# Altium PCB XTIDA-010086.PcbDoc (part 17 of 17)
Units mm, origin at the board's own origin, x right, y up, seen from the top; angles counter-clockwise.
Board outline 375 x 210 mm, 6 copper layers (Top Layer, GND Layer, Signal Layer 1, Signal Layer 2, Power Layer, Bottom Layer), stack 1.575 mm thick; 1884 components, 1036 nets, 4948 pads, 6791 vias.
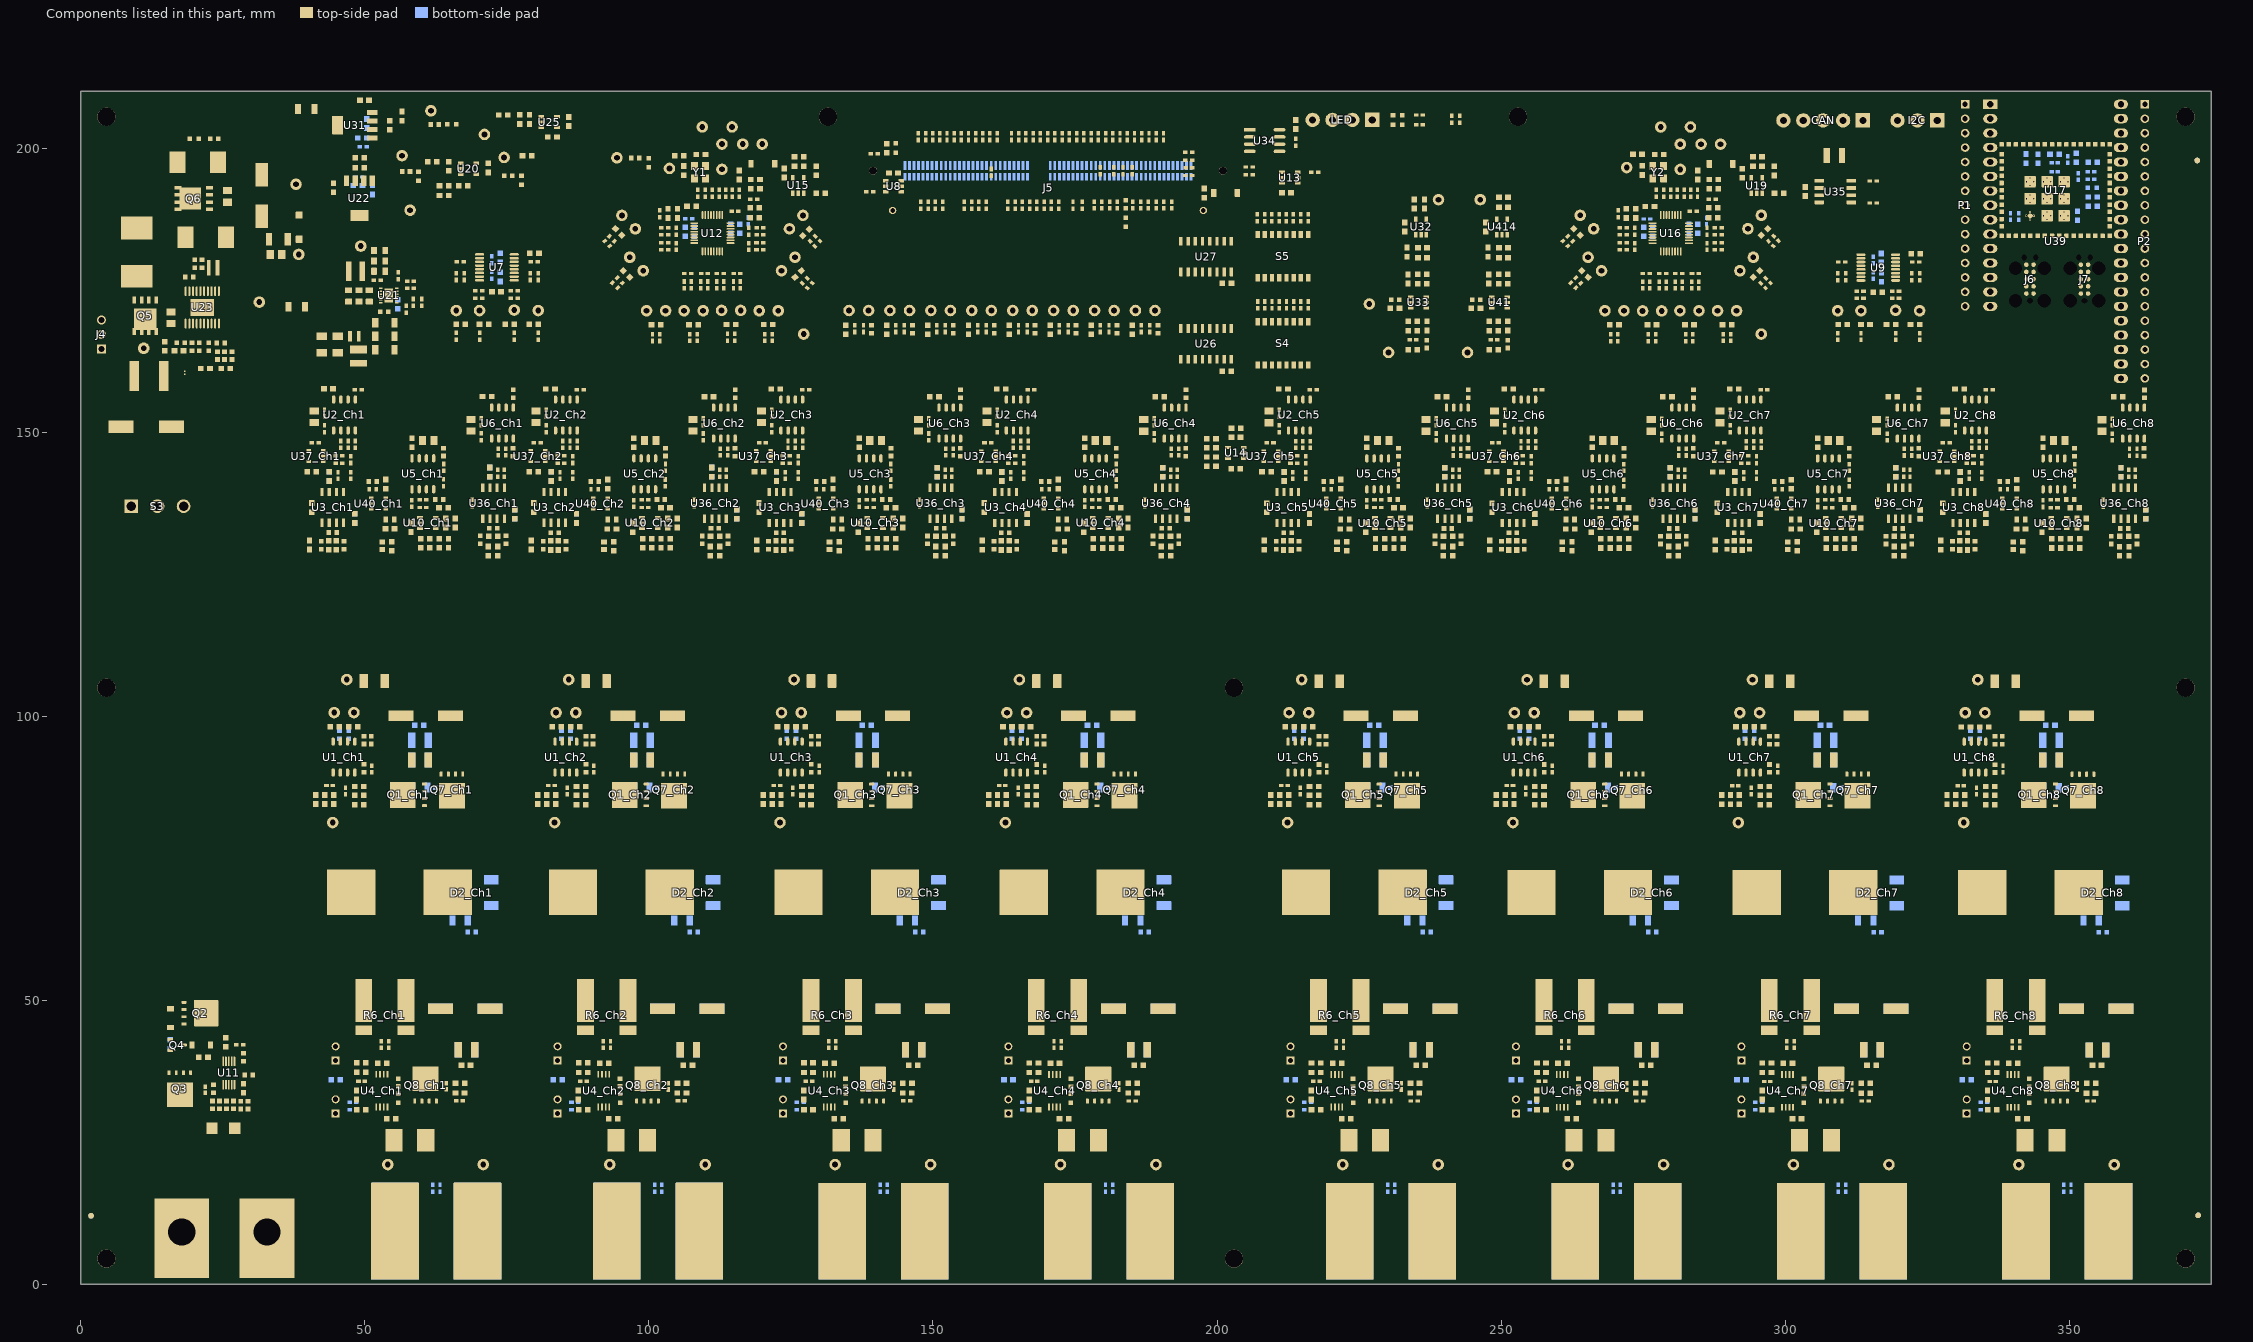
[diagram p21: the components of this part, seen from the top]

## Other copper
Top Layer:
  pour cut-out: 329.994,142.184 329.994,132.928 327.022,132.928 326.387,133.563 326.387,141.284 327.269,142.166
  pour cut-out: 358.285,142.932 358.285,133.677 355.313,133.677 354.678,134.312 354.678,142.033 355.56,142.915
  pour cut-out: 290.319,142.186 290.319,132.93 287.347,132.93 286.712,133.565 286.712,141.286 287.594,142.168
  pour cut-out: 318.61,142.934 318.61,133.679 315.639,133.679 315.004,134.314 315.004,142.035 315.885,142.917
  pour cut-out: 250.644,142.188 250.644,132.932 247.673,132.932 247.038,133.567 247.038,141.288 247.919,142.17
  pour cut-out: 278.936,142.936 278.936,133.681 275.964,133.681 275.329,134.316 275.329,142.037 276.21,142.919
  pour cut-out: 210.97,142.19 210.97,132.934 207.998,132.934 207.363,133.569 207.363,141.29 208.244,142.172
  pour cut-out: 239.261,142.938 239.261,133.683 236.289,133.683 235.654,134.318 235.654,142.039 236.535,142.921
  pour cut-out: 161.295,142.192 161.295,132.936 158.323,132.936 157.688,133.571 157.688,141.292 158.569,142.174
  pour cut-out: 189.586,142.94 189.586,133.685 186.614,133.685 185.979,134.32 185.979,142.041 186.861,142.923
  pour cut-out: 121.62,142.194 121.62,132.938 118.648,132.938 118.013,133.573 118.013,141.294 118.895,142.176
  pour cut-out: 149.911,142.942 149.911,133.687 146.939,133.687 146.304,134.322 146.304,142.043 147.186,142.925
  pour cut-out: 81.945,142.196 81.945,132.94 78.973,132.94 78.338,133.575 78.338,141.296 79.22,142.178
  pour cut-out: 110.236,142.944 110.236,133.689 107.265,133.689 106.63,134.324 106.63,142.045 107.511,142.927
  pour cut-out: 71.171,142.946 71.171,133.691 68.199,133.691 67.564,134.326 67.564,142.047 68.446,142.929
  pour cut-out: 42.88,142.198 42.88,132.942 39.908,132.942 39.273,133.577 39.273,141.298 40.155,142.18
  pour cut-out: 18.813,173.459 23.454,173.459 23.47,173.443 24.575,173.443 24.587,173.431 24.587,173.736 18.813,173.736
  pour cut-out: 18.488,170.477 24.261,170.477 24.261,170.151 24.232,170.122 18.521,170.122 18.488,170.155
  pour cut-out: 14.922,173.233 14.922,170.459 14.376,170.459 14.3,170.536 14.3,172.611
  pour cut-out: 109.07,184.264 109.07,183.198 109.228,183.04 113.1,183.04 113.215,183.156 113.215,184.241 113.234,184.26 113.252,184.241 113.441,184.241 113.441,182.923 113.241,182.722 109.09,182.722 108.887,182.925 108.887,184.26
  pour cut-out: 277.769,184.256 277.769,183.19 277.927,183.032 281.799,183.032 281.915,183.148 281.915,184.233 281.933,184.252 281.951,184.233 282.141,184.233 282.141,182.915 281.94,182.715 277.789,182.715 277.587,182.917 277.587,184.252
  pour cut-out: 274.516,189.027 274.516,187.817 274.728,187.604 276.01,187.604 276.01,189.043
  text ".Layer_Name" at -10.09,-30.717 h1.52
GND Layer:
  text "'.Layer_Name'" at -3.15,-30.705 h1.52
Power Layer:
  text "'.Layer_Name'" at -4.191,-30.832 h1.52
Signal Layer 1:
  text "'.Layer_Name'" at -4.521,-30.933 h1.52
Signal Layer 2:
  text "'.Layer_Name'" at -4.597,-30.933 h1.52
Bottom Layer:
  pour cut-out: 197.942,199.963 197.942,191.346 142.9,191.346 142.9,199.963
  text ".Layer_Name" at -10.09,-30.717 h1.52

## Silkscreen, mask and mechanical layers (free items; w line width, h text height)
Top Overlay:
  drawing of 449 lines, arcs and shapes, not listed
  text "LED PW" at 239.854,207.76 h1.4 r180
  text "5V_D" at 63.506,207.086 h1.02
  text "5V0" at 239.854,206.363 h1.5 r180
  text "DIN1" at 108.534,206.197 h1.02
  text "DRDY1" at 113.259,206.197 h1.02
  text "DIN2" at 277.233,206.189 h1.02
  text "DRDY2" at 281.958,206.189 h1.02
  text "3V3" at 239.854,204.99 h1.5 r180
  text "RESET1" at 118.796,203.175 h1.02
  text "RESET1" at 287.495,203.167 h1.02
  text "SCLK1" at 113.005,202.463 h1.02 r90
  text "SCLK2" at 281.704,202.455 h1.02 r90
  text "C3220SFMODA" at 341.828,202.429 h1.5
  text "CS1" at 118.135,202.184 h1.02 r90
  text "CS2" at 286.835,202.176 h1.02 r90
  text "WP" at 217.346,202.086 h1.5 r180
  text "A" at 99.021,201.38 h0.76
  text "DVDD" at 93.091,200.914 h1.02
  text "AVDD" at 85.877,200.482 h1.02
  text "DGND" at 69.977,200.012 h1.02
  text "FRAM CAL" at 217.346,199.829 h1.4 r180
  text "5V" at 53.645,197.942 h1.02
  text "DGND" at 103.124,197.891 h1.02 r90
  text "DOUT2" at 280.594,197.841 h1.02
  text "DOUT1" at 111.887,197.79 h1.02
  text "SCL" at 365.309,196.747 h1.5
  text "10V_Gate" at 36.119,196.418 h1.02
  text "B" at 264.693,195.014 h0.76
  text "Non-377-Ball  / ZWT package / C5 -> D5 Sel" at 153.217,194.482 h1.02
  text "F28379D ControlCARD" at 165.721,194.43 h1.5
  text "Spare GPIO /  / 26   39 45  / 27   34 44 46" at 186.041,194.427 h1.3
  text "DGND" at 270.891,194.298 h1.02
  text "SDA" at 365.309,194.212 h1.5
  text "Vref Buffer" at 242.773,194.092 h2
  text "Vbias Buffer" at 228.904,194.033 h2
  text "ADC1_CLK / Buffer" at 135.31,193.324 h1.02
  text "C2000_CLK" at 102.327,192.955 h1.02
  text "ADC2_CLK / Buffer" at 217.919,192.409 h1.02
  text "DGND" at 365.309,191.647 h1.5
  text "IoutP5 /" at 256.685,189.92 h1.02
  text "IoutP1 /" at 87.986,189.865 h1.02
  text "/ VoutP4" at 131.581,189.635 h1.02
  text "/ VoutP8" at 297.627,189.513 h1.02
  text "B" at 281,189.476 h0.76
  text "A" at 112.166,189.442 h0.76
  text "DGND" at 365.309,189.142 h1.5
  text "IoutN5 /" at 256.685,188.819 h1.02
  text "IoutN1 /" at 87.939,188.692 h1.02
  text "/ VoutN4" at 131.581,188.454 h1.02
  text "/ VoutN8" at 297.579,188.301 h1.02
  text "AGND" at 56.312,186.741 h1.02
  text "-5V" at 45.977,182.892 h1.02
  text "VoutN1 /" at 87.833,180.491 h1.02
  text "VoutN5 /" at 256.667,180.391 h1.02
  text "/ IoutN8" at 297.953,180.33 h1.02
  text "/ IoutN4" at 130.544,180.086 h1.02
  text "VoutP1 /" at 87.833,179.372 h1.02
  text "/ IoutP8" at 297.953,179.329 h1.02
  text "/ IoutP4" at 130.544,178.915 h1.02
  text "VoutP5 /" at 256.667,178.922 h1.02
  text "10V" at 37.643,178.816 h1.02
  text "DGND" at 225.476,174.269 h1.02
  text "TEMP" at 81.431,173.355 h1.27
  text "TEMP" at 324.596,173.325 h1.27
  text "CHANNEL 5" at 258.844,172.419 h1.27
  text "CHANNEL 8" at 294.39,172.419 h1.27
  text "CHANNEL 1" at 87.503,172.263 h1.27
  text "CHANNEL 4" at 126.695,172.237 h1.27
  text "PGND" at 30.302,170.485 h1.02
  text "CC3220 / JTAG" at 346.838,170.221 h1.5 r180
  text "CC3220 / FLASH" at 356.596,170.221 h1.5 r180
  text "5V_D" at 329.804,168.104 h1.5
  text "DGND" at 329.804,166.254 h1.5
  text "IoutP2 /" at 98.45,165.354 h1.02 r90
  text "IoutP6 /" at 267.15,165.346 h1.02 r90
  text "IoutP3 /" at 112.192,164.973 h1.02 r90
  text "IoutP7 /" at 280.891,164.965 h1.02 r90
  text "IoutN2 /" at 104.124,164.774 h1.02 r90
  text "IoutN3 /" at 117.704,164.77 h1.02 r90
  text "AGND" at 126.001,164.774 h1.02
  text "IoutN6 /" at 272.824,164.766 h1.02 r90
  text "IoutN7 /" at 286.36,164.77 h1.02 r90
  text "AGND" at 294.448,164.77 h1.02
  text "12V_IN" at 6.502,164.753 h1.02
  text "VoutP3 /" at 124.003,164.516 h1.02 r90
  text "VoutP7 /" at 292.702,164.508 h1.02 r90
  text "VoutP2 /" at 110.693,164.287 h1.02 r90
  text "VoutP6 /" at 279.392,164.279 h1.02 r90
  text "VoutN2 /" at 105.131,164.135 h1.02 r90
  text "VoutN6 /" at 273.83,164.127 h1.02 r90
  text "VoutN3 /" at 118.618,164.059 h1.02 r90
  text "VoutN7 /" at 287.317,164.051 h1.02 r90
  text "DGND" at 352.685,163.757 h1.5
  text "CHANNEL 2" at 101.304,162.916 h1.27
  text "CHANNEL 3" at 114.512,162.916 h1.27
  text "IVoutS1" at 135.941,162.93 h1.27
  text "IVoutS2" at 143.142,162.93 h1.27
  text "IVoutS3" at 150.344,162.93 h1.27
  text "IVoutS4" at 157.546,162.93 h1.27
  text "IVoutS5" at 164.748,162.93 h1.27
  text "IVoutS6" at 171.949,162.93 h1.27
  text "IVoutS7" at 179.151,162.93 h1.27
  text "IVoutS8" at 186.353,162.93 h1.27
  text "CHANNEL 6" at 270.003,162.916 h1.27
  text "CHANNEL 7" at 283.211,162.916 h1.27
  text "CH1" at 133.625,162.859 h1.27
  text "CH2" at 140.827,162.859 h1.27
  text "CH3" at 148.029,162.859 h1.27
  text "CH4" at 155.23,162.859 h1.27
  text "CH5" at 162.432,162.859 h1.27
  text "CH6" at 169.634,162.859 h1.27
  text "CH7" at 176.835,162.859 h1.27
  text "CH8" at 184.037,162.859 h1.27
  text "CH1" at 64.325,162.535 h1.5
  text "CH2" at 68.631,162.535 h1.5
  text "CH3" at 73.314,162.535 h1.5
  text "CH4" at 77.869,162.535 h1.5
  text "CH5" at 307.49,162.504 h1.5
  text "CH6" at 311.796,162.504 h1.5
  text "CH7" at 316.48,162.504 h1.5
  text "CH8" at 321.034,162.504 h1.5
  text "Vbias=1.25v" at 231.917,161.248 h1.02
  text "Vref=2.50v" at 246.31,161.249 h1.02
  text "CH 12V" at 196.825,157.08 h2.54
  text "CHANNEL 1" at 52.566,155.291 h2.54
  text "CHANNEL 2" at 92.241,155.291 h2.54
  text "CHANNEL 3" at 131.916,155.291 h2.54
  text "CHANNEL 4" at 171.591,155.291 h2.54
  text "CHANNEL 5" at 221.265,155.291 h2.54
  text "CHANNEL 6" at 260.94,155.291 h2.54
  text "CHANNEL 7" at 300.615,155.291 h2.54
  text "CHANNEL 8" at 340.29,155.291 h2.54
  text "12V_Out" at 42.951,102.997 h1.02
  text "12V_Out" at 82.017,102.995 h1.02
  text "12V_Out" at 121.691,102.993 h1.02
  text "12V_Out" at 161.366,102.991 h1.02
  text "12V_Out" at 211.041,102.989 h1.02
  text "12V_Out" at 250.716,102.987 h1.02
  text "12V_Out" at 290.391,102.985 h1.02
  text "12V_Out" at 330.065,102.983 h1.02
  text "LI" at 42.256,101.424 h1.02
  text "HI" at 49.857,101.424 h1.02
  text "LI" at 81.321,101.422 h1.02
  text "HI" at 88.922,101.422 h1.02
  text "LI" at 120.996,101.42 h1.02
  text "HI" at 128.597,101.42 h1.02
  text "LI" at 160.671,101.418 h1.02
  text "HI" at 168.272,101.418 h1.02
  text "LI" at 210.346,101.416 h1.02
  text "HI" at 217.946,101.416 h1.02
  text "LI" at 250.021,101.414 h1.02
  text "HI" at 257.621,101.414 h1.02
  text "LI" at 289.695,101.412 h1.02
  text "HI" at 297.296,101.412 h1.02
  text "LI" at 329.37,101.41 h1.02
  text "HI" at 336.971,101.41 h1.02
  text ".PRJ_Number" at 369.037,99.797 h3.81 r270
  text "SW" at 41.326,80.162 h1.02
  text "SW" at 81.001,80.16 h1.02
  text "SW" at 160.35,80.156 h1.02
  text "SW" at 210.025,80.154 h1.02
  text "SW" at 120.107,80.151 h1.02
  text "SW" at 249.7,80.152 h1.02
  text "SW" at 289.375,80.15 h1.02
  text "SW" at 329.049,80.148 h1.02
  text "-E3" at 369.037,76.606 h3.81 r270
  text "10K NTC Temp" at 42.853,36.782 h1.02 r90
  text "10K NTC Temp" at 81.918,36.78 h1.02 r90
  text "10K NTC Temp" at 121.593,36.778 h1.02 r90
  text "10K NTC Temp" at 161.268,36.776 h1.02 r90
  text "10K NTC Temp" at 210.943,36.774 h1.02 r90
  text "10K NTC Temp" at 250.617,36.772 h1.02 r90
  text "10K NTC Temp" at 290.292,36.77 h1.02 r90
  text "10K NTC Temp" at 329.967,36.768 h1.02 r90
  text "-VSense" at 42.672,31.648 h1.02 r90
  text "-VSense" at 81.737,31.646 h1.02 r90
  text "-VSense" at 121.412,31.644 h1.02 r90
  text "-VSense" at 161.087,31.642 h1.02 r90
  text "-VSense" at 210.762,31.64 h1.02 r90
  text "-VSense" at 250.436,31.638 h1.02 r90
  text "-VSense" at 290.111,31.636 h1.02 r90
  text "-VSense" at 329.786,31.634 h1.02 r90
  text "+VSense" at 42.672,27.457 h1.02 r90
  text "+VSense" at 81.737,27.455 h1.02 r90
  text "+VSense" at 121.412,27.453 h1.02 r90
  text "+VSense" at 161.087,27.451 h1.02 r90
  text "+VSense" at 210.762,27.449 h1.02 r90
  text "+VSense" at 250.436,27.447 h1.02 r90
  text "+VSense" at 290.111,27.445 h1.02 r90
  text "+VSense" at 329.786,27.443 h1.02 r90
  text "PGND" at 67.793,22.733 h2.54
  text "PGND" at 107.467,22.731 h2.54
  text "PGND" at 147.142,22.729 h2.54
  text "PGND" at 186.817,22.727 h2.54
  text "PGND" at 236.492,22.725 h2.54
  text "PGND" at 276.167,22.723 h2.54
  text "PGND" at 315.841,22.721 h2.54
  text "PGND" at 355.516,22.719 h2.54
  text "B+" at 50.14,18.542 h2.54
  text "B-" at 73.279,18.542 h2.54
  text "B+" at 89.814,18.54 h2.54
  text "B-" at 112.954,18.54 h2.54
  text "B+" at 129.489,18.538 h2.54
  text "B-" at 152.629,18.538 h2.54
  text "B+" at 169.164,18.536 h2.54
  text "B-" at 192.303,18.536 h2.54
  text "B+" at 218.839,18.534 h2.54
  text "B-" at 241.978,18.534 h2.54
  text "B+" at 258.514,18.532 h2.54
  text "B-" at 281.653,18.532 h2.54
  text "B+" at 298.188,18.53 h2.54
  text "B-" at 321.328,18.53 h2.54
  text "B+" at 337.863,18.528 h2.54
  text "B-" at 361.003,18.528 h2.54
  text "PGND" at 29.489,17.145 h2.54
  text "INPUT" at 14.478,17.12 h2.54
  text "Bypass Input protection w/ solid copper bar over area confined by this overlay" at 8.077,9.703 h1.5 r90
  text ".Layer_Name" at -10.09,-30.717 h1.52
Bottom Overlay:
  lines w0.152: 49.225,0.914 40.132,0.914 40.132,123.19 38.532,124.79 38.532,159.385 77.8,159.385 77.8,107.315 77.8,0.914 74.574,0.914 ; 60.35,0.914 64.694,0.914 ; 88.9,0.912 79.807,0.912 79.807,123.188 78.207,124.788 78.207,159.334 117.475,159.334 117.475,107.313 117.475,0.912 114.249,0.912 ; 100.025,0.912 104.369,0.912 ; 128.575,0.91 119.482,0.91 119.482,123.186 117.881,124.786 117.881,159.334 157.15,159.334 157.15,107.311 157.15,0.91 153.924,0.91 ; 139.7,0.91 144.043,0.91 ; 168.25,0.908 159.156,0.908 159.156,123.184 157.556,124.784 157.556,159.334 196.825,159.334 196.825,107.309 196.825,0.908 193.599,0.908 ; 179.375,0.908 183.718,0.908 ; 217.924,0.906 208.831,0.906 208.831,123.182 207.231,124.782 207.231,159.334 246.499,159.334 246.499,107.307 246.499,0.906 243.274,0.906 ; 229.05,0.906 233.393,0.906 ; 257.599,0.904 248.506,0.904 248.506,123.18 246.906,124.78 246.906,159.334 286.174,159.334 286.174,107.305 286.174,0.904 282.948,0.904 ; 268.724,0.904 273.068,0.904 ; 297.274,0.902 288.181,0.902 288.181,123.178 286.581,124.778 286.581,159.334 325.849,159.334 325.849,107.303 325.849,0.902 322.623,0.902 ; 308.399,0.902 312.743,0.902 ; 336.949,0.9 327.856,0.9 327.856,123.176 326.255,124.776 326.255,159.334 365.524,159.334 365.524,107.301 365.524,0.9 362.298,0.9 ; 348.074,0.9 352.417,0.9
  text "CHANNEL 8" at 354.152,156.616 h2.54
  text "CHANNEL 1" at 66.446,156.54 h2.54
  text "CHANNEL 2" at 106.121,156.54 h2.54
  text "CHANNEL 3" at 145.771,156.54 h2.54
  text "CHANNEL 6" at 274.879,156.54 h2.54
  text "CHANNEL 4" at 185.395,156.464 h2.54
  text "CHANNEL 5" at 235.204,156.388 h2.54
  text "CHANNEL 7" at 314.35,156.388 h2.54
  text ".Layer_Name" at -10.09,-30.717 h1.52
Top Paste:
  text ".Layer_Name" at -10.09,-30.717 h1.52
Bottom Paste:
  text ".Layer_Name" at -10.09,-30.717 h1.52
Top Solder:
  rectangle: 9.22,15.875 21.368,31.23
  text ".Layer_Name" at -10.09,-30.717 h1.52
  text ".Layer_Name" at -10.09,-30.717 h1.52
Bottom Solder:
  text ".Layer_Name" at -10.09,-30.717 h1.52
Drill Guide:
  text ".Layer_Name" at -10.09,-30.717 h1.52
M1 Board Outline:
  the board outline again, w0.254
M2 Board Dimensions:
  rectangle: -24.746,-15.897 -21.571,-12.722
  rectangle: -21.571,-19.072 -12.046,-15.897
  lines w0.178: -24.746,-15.897 0.654,-15.897 ; -21.571,-19.072 -21.571,-12.722 ; -18.396,-19.072 -18.396,-12.722 ; -12.046,-19.072 -12.046,-12.722 ; -5.696,-19.072 -5.696,-12.722 ; -24.746,-19.072 0.654,-19.072 0.654,-12.722 -24.746,-12.722 -24.746,-19.072
M3 3D STEP Top:
  text ".Layer_Name" at -10.09,-30.717 h1.52
M4 3D STEP Bottom:
  text ".Layer_Name" at -10.09,-30.717 h1.52
M5 Assembly Top:
  drawing of 218 lines, arcs and shapes, not listed
  text "U34" at 204.915,200.242 h0.75
  text "Vbias Buffer" at 228.54,195.014 h1.5
  text "Vref Buffer" at 242.639,195.014 h1.5
  text "U13" at 211.595,194.064 h0.75
  text "U8" at 141.821,192.425 h0.75
  text "CHANNEL 1" at 91.567,191.541 h1.27
  text "CHANNEL 8" at 293.018,173.914 h1.27
  text "CHANNEL 4" at 124.318,173.736 h1.27
  text "CHANNEL 5" at 260.04,173.489 h1.27
  text "CHANNEL 2" at 101.253,162.916 h1.27
  text "CHANNEL 3" at 114.461,162.916 h1.27
  text "CHANNEL 6" at 269.952,162.916 h1.27
  text "CHANNEL 7" at 283.16,162.916 h1.27
  text "CH12V" at 198.087,157.212 h2.54
  text "CHANNEL 5" at 222.214,157.152 h2.54
  text "CHANNEL 4" at 172.075,156.952 h2.54
  text "CHANNEL 6" at 261.625,156.905 h2.54
  text "CHANNEL 7" at 301.3,156.903 h2.54
  text "CHANNEL 1" at 54.762,156.788 h2.54
  text "CHANNEL 2" at 92.598,156.786 h2.54
  text "CHANNEL 8" at 341.492,156.533 h2.54
  text "CHANNEL 3" at 131.695,156.513 h2.54
  text "R216" at 260.911,133.857 h0.45
  text "R221" at 261.486,128.628 h0.45 r90
  text "COMPONENTS MARKED 'DNP' SHOULD NOT BE POPULATED." at 4.553,-17.002 h0.46
  text "ASSEMBLY VARIANT:" at 4.54,-19.935 h0.46
  text ".VariantName" at 30.854,-19.935 h0.46
  text "PCB VIEWED FROM TOP SIDE" at -30.55,-25.566 h0.46
  text "BOARD #:" at 32.353,-25.566 h0.46
  text "REV:" at 67.659,-25.566 h0.46
  text ".PCB_Rev" at 75.063,-25.566 h0.46
  text "SVN REV:" at 88.944,-25.566 h0.46
  text ".VersionControl_RevNumber" at 101.797,-25.566 h0.46
  text ".PRJ_Number" at 43.586,-25.676 h0.46
  text ".TID" at 41.935,-30.632 h0.46
  text "TID #:" at 32.353,-30.73 h0.46
  text "LAYER NAME =" at -30.499,-30.844 h0.46
  text ".layer_Name" at -8.211,-31.111 h0.46
  text ".plot_File_Name" at -13.418,-35.683 h0.46
  text "PLOT NAME =" at -30.55,-35.946 h0.46
  text "GENERATED    :" at 32.404,-35.946 h0.46
  text ".Print_Date" at 54.489,-35.946 h0.46
  text ".Print_Time" at 73.006,-35.946 h0.46
  text "TEXAS INSTRUMENTS" at 105.124,-35.946 h0.46
M6 Assembly Bottom:
  circle w0.254: c43.236,153.467 r0.197
  circle w0.254: c43.976,129.591 r0.197
  circle w0.254: c82.936,153.391 r0.197
  circle w0.254: c83.622,129.692 r0.197
  circle w0.254: c122.56,153.429 r0.197
  circle w0.254: c123.322,129.667 r0.197
  circle w0.254: c162.311,153.467 r0.197
  circle w0.254: c162.961,129.642 r0.197
  circle w0.254: c211.968,153.441 r0.197
  circle w0.254: c212.682,129.642 r0.197
  circle w0.254: c251.694,153.365 r0.197
  circle w0.254: c252.354,129.616 r0.197
  circle w0.254: c291.292,153.391 r0.197
  circle w0.254: c292.015,129.642 r0.197
  circle w0.254: c331.018,153.441 r0.197
  circle w0.254: c331.706,129.591 r0.197
  circle w0.254: c50.724,138.887 r0.227
  circle w0.254: c69.901,71.272 r0.227
  circle w0.254: c90.424,138.887 r0.227
  circle w0.254: c109.525,71.272 r0.227
  circle w0.254: c130.114,138.901 r0.227
  circle w0.254: c149.123,71.298 r0.227
  circle w0.254: c169.774,138.887 r0.227
  circle w0.254: c188.874,71.196 r0.227
  circle w0.254: c219.431,138.862 r0.227
  circle w0.254: c238.582,71.247 r0.227
  circle w0.254: c259.131,138.887 r0.227
  circle w0.254: c278.282,71.222 r0.227
  circle w0.254: c298.78,138.887 r0.227
  circle w0.254: c317.856,71.196 r0.227
  circle w0.254: c338.43,138.913 r0.227
  circle w0.254: c357.556,71.272 r0.227
  circle w0.254: c270.358,179.372 r0.21
  circle w0.254: c289.357,181.221 r0.21
  circle w0.254: c101.651,179.398 r0.21
  circle w0.254: c120.675,181.229 r0.21
  lines w0.152: 49.225,0.914 40.132,0.914 40.132,123.19 38.532,124.79 38.532,157.861 77.8,157.861 77.8,107.315 77.8,0.914 74.574,0.914 ; 60.35,0.914 64.694,0.914 ; 88.9,0.912 79.807,0.912 79.807,123.188 78.207,124.788 78.207,157.859 117.475,157.859 117.475,107.313 117.475,0.912 114.249,0.912 ; 100.025,0.912 104.369,0.912 ; 128.575,0.91 119.482,0.91 119.482,123.186 117.881,124.786 117.881,157.857 157.15,157.857 157.15,107.311 157.15,0.91 153.924,0.91 ; 139.7,0.91 144.043,0.91 ; 168.25,0.908 159.156,0.908 159.156,123.184 157.556,124.784 157.556,157.855 196.825,157.855 196.825,107.309 196.825,0.908 193.599,0.908 ; 179.375,0.908 183.718,0.908 ; 217.924,0.906 208.831,0.906 208.831,123.182 207.231,124.782 207.231,157.853 246.499,157.853 246.499,107.307 246.499,0.906 243.274,0.906 ; 229.05,0.906 233.393,0.906 ; 257.599,0.904 248.506,0.904 248.506,123.18 246.906,124.78 246.906,157.851 286.174,157.851 286.174,107.305 286.174,0.904 282.948,0.904 ; 268.724,0.904 273.068,0.904 ; 297.274,0.902 288.181,0.902 288.181,123.178 286.581,124.778 286.581,157.849 325.849,157.849 325.849,107.303 325.849,0.902 322.623,0.902 ; 308.399,0.902 312.743,0.902 ; 336.949,0.9 327.856,0.9 327.856,123.176 326.255,124.776 326.255,157.847 365.524,157.847 365.524,107.301 365.524,0.9 362.298,0.9 ; 348.074,0.9 352.417,0.9
  lines w0.254: -32.176,-27.386 135.515,-27.386 ; -32.125,-32.551 135.515,-32.551 ; 3.588,-37.88 3.588,-32.728 ; 19.386,-27.386 19.386,-22.221 ; 40.722,-27.386 40.722,-22.221 ; 72.904,-37.715 72.904,-22.221 ; 95.485,-37.715 135.502,-37.715 135.502,-22.221 -32.176,-22.221 -32.176,-37.715 33.788,-37.715 135.515,-37.715 135.515,-22.221
  text "CHANNEL 1" at 75.692,153.772 h2.54
  text "CHANNEL 2" at 115.367,153.77 h2.54
  text "CHANNEL 3" at 155.042,153.768 h2.54
  text "CHANNEL 4" at 194.716,153.766 h2.54
  text "CHANNEL 5" at 244.391,153.764 h2.54
  text "CHANNEL 6" at 284.066,153.762 h2.54
  text "CHANNEL 7" at 323.741,153.76 h2.54
  text "CHANNEL 8" at 363.416,153.758 h2.54
  text "C150" at 82.093,126.289 h0.46
  text "C150" at 210.998,126.238 h0.46
  text "C150" at 161.366,126.187 h0.46
  text "C150" at 290.347,126.162 h0.46
  text "C150" at 290.347,126.162 h0.46
  text "C150" at 329.946,126.162 h0.46
  text "C150" at 250.8,126.136 h0.46
  text "C150" at 121.691,126.111 h0.46
  text "COMPONENTS MARKED 'DNP' SHOULD NOT BE POPULATED." at 130.245,-16.989 h0.46
  text ".VariantName" at 103.727,-19.935 h0.46
  text "ASSEMBLY VARIANT:" at 130.118,-19.935 h0.46
  text "REV:" at 31.267,-25.447 h0.46
  text ".PCB_Rev" at 21.946,-25.498 h0.46
  text ".VersionControl_RevNumber" at 1.556,-25.578 h0.46
  text "SVN REV:" at 14.408,-25.578 h0.46
  text "BOARD #:" at 70.999,-25.578 h0.46
  text "PCB VIEWED FROM BOTTOM SIDE" at 133.902,-25.578 h0.46
  text ".PRJ_Number" at 59.588,-25.599 h0.46
  text "LAYER NAME =" at 127.991,-30.277 h0.46
  text ".layer_Name" at 121.634,-30.324 h0.46
  text ".TID" at 66.523,-30.734 h0.46
  text "TID #:" at 70.999,-30.743 h0.46
  text "TEXAS INSTRUMENTS" at -1.772,-35.958 h0.46
  text ".Print_Time" at 30.346,-35.958 h0.46
  text ".Print_Date" at 48.863,-35.958 h0.46
  text "GENERATED    :" at 70.948,-35.958 h0.46
  text ".plot_File_Name" at 113.443,-35.958 h0.46
  text "PLOT NAME =" at 133.902,-35.958 h0.46
M9 Title Sheet:
  drawing of 71 lines, arcs and shapes, not listed
  text "1" at -10.73,290.496 h1.78
  text "2" at 57.85,290.462 h1.78
  text "3" at 121.079,290.462 h1.78
  text "4" at 184.748,290.462 h1.78
  text "5" at 248.223,290.462 h1.78
  text "6" at 570.16,290.465 h1.78
  text "A" at -35.325,166.183 h1.78
  text "A" at 599.319,166.183 h1.78
  text "B" at -35.325,105.731 h1.78
  text "B" at 599.319,105.731 h1.78
  text "C" at -35.325,45.406 h1.78
  text "C" at 599.319,45.406 h1.78
  text "PROJECT TITLE:" at 523.151,-1.038 h1.14
  text ".PRJ_Title" at 523.373,-5.25 h1.78
  text "DESIGNED FOR:" at 522.103,-9.509 h1.14
  text "PUBLIC RELEASE" at 523.373,-13.065 h1.78
  text "D" at -35.325,-14.792 h1.78
  text "D" at 599.319,-14.792 h1.78
  text "FILE NAME:" at 522.103,-17.129 h1.14
  text ".PCB_File_Name_No_Path" at 523.373,-20.177 h1.78
  text "Texas Instruments (TI) and/or its licensors do not warrant the accuracy or completeness of this specification" at 137.153,-24.287 h1.14
  text "ENGINEER:" at 522.103,-24.495 h1.14
  text "LAYOUT BY:" at 560.33,-24.495 h1.14
  text "or any information contained therein. TI and/or its licensors do not warrant that this design will meet" at 136.011,-27.149 h1.14
  text "Shaury Anand" at 523.373,-28.431 h1.27
  text "Avinash N" at 561.613,-28.431 h1.78
  text "the specifications, will be suitable for your application or fit for any particular purpose, or will operate in" at 136.011,-30.011 h1.14
  text "ALTIUM DESIGNER VERSION:" at 560.33,-32.369 h1.14
  text "an implementation. TI and/or its licensors do not warrant that the design is production worthy. You should" at 136.011,-32.872 h1.14
  text "completely validate and test your design implementation to confirm the system functionality for your application." at 137.153,-35.734 h1.14
  text ".print_Scale" at 523.373,-35.755 h1.78
  text ".Application_BuildNumber" at 561.613,-35.755 h1.78
  text "1" at -5.954,-41.005 h1.78
  text "2" at 57.436,-41.005 h1.78
  text "3" at 120.665,-41.005 h1.78
  text "4" at 184.334,-41.005 h1.78
  text "5" at 394.265,-41.005 h1.78
  text "6" at 570.16,-41.005 h1.78
M10 Fab Notes:
  drawing of 189 lines, arcs and shapes, not listed
  text "ALL VIAS ARE  TENTED EXCEPT THERMAL VIAS" at 521.252,159.922 h1.52
  text "THIS IS NOT AN IMPEDENCE CONTROLLED  BOARD" at 521.049,156.798 h1.52
  text "DESIGN INFORMATION" at 548.481,152.535 h1.52
  text "MIN. TRACK WIDTH:" at 532.11,149.179 h1.52
  text "6" at 559.954,149.179 h1.52
  text "MIL" at 563.885,149.179 h1.52
  text "6" at 560.07,146.406 h1.52
  text "MIN. CLEARANCE:" at 532.11,146.026 h1.52
  text "MIL" at 563.885,146.026 h1.52
  text "MIN. VIA PAD SIZE:" at 532.11,142.874 h1.52
  text "12" at 559.192,142.874 h1.52
  text "MIL" at 563.885,142.874 h1.52
  text "5.90 MIL" at 549.763,139.574 h1.52
  text "MINIMUM ANNULAR RING" at 523.747,139.365 h1.52
  text "EXTERNAL" at 567.746,139.365 h1.52
  text "PER" at 528.827,136.568 h1.52
  text "IPC-D-275 CLASS 2 LEVEL C" at 534.415,136.568 h1.52
  text "MIL, HOLES" at 572.216,134.016 h1.52
  text "+/-" at 562.248,133.798 h1.52
  text "+/-" at 583.939,133.798 h1.52
  text "REGISTRATION TOLERANCES:" at 523.747,133.771 h1.52
  text "METAL" at 554.221,133.771 h1.52
  text "5" at 568.857,133.771 h1.52
  text "3" at 590.015,133.771 h1.52
  text "MIL" at 592.968,133.771 h1.52
  text "HOLE SIZE TOLERANCE (UNLESS OTHERWISE SPECIFIED):" at 523.747,131.274 h1.52
  text "+/-" at 583.939,131.201 h1.52
  text "3" at 590.015,131.174 h1.52
  text "MIL" at 592.968,131.174 h1.52
  text "MATERIAL:" at 521.848,127.677 h1.52
  text "FR-4 High Tg" at 546.904,124.413 h1.52
  text "X" at 543.235,124.21 h1.52
  text "FR-408" at 532.542,124.095 h1.52
  text "OTHER" at 570.337,124.095 h1.52
  text "63 MIL (1.6mm) +/-10%" at 540.672,120.462 h1.52
  text "X" at 537.622,120.4 h1.52
  text "THICKNESS:" at 523.747,120.253 h1.52
  text "OTHER" at 573.308,120.253 h1.52
  text "TOLERANCE:" at 523.747,116.74 h1.52
  text "X" at 545.292,116.74 h1.52
  text "ANSI IPC-6012 TYPE 3 CLASS 2" at 549.814,116.74 h1.52
  text "OTHER +/-" at 549.813,113.078 h1.52
  text "BOW & TWIST:" at 523.747,109.39 h1.52
  text "X" at 545.292,109.39 h1.52
  text "ANSI IPC-6012 TYPE 3 CLASS 2" at 549.814,109.39 h1.52
  text "OTHER +/-" at 549.813,105.664 h1.52
  text "DRILLING:" at 521.848,102.346 h1.52
  text "NC_DRILL FILES" at 566.577,99.674 h1.52
  text "REFERENCE:" at 523.747,99.574 h1.52
  text "X" at 540.441,99.572 h1.52
  text "AS SHOWN" at 544.962,99.574 h1.52
  text "X" at 563.326,99.574 h1.52
  text "OTHER" at 574.147,95.961 h1.52
  text "PTH COPPER THICKNESS:" at 523.739,95.872 h1.52
  text "X" at 552.676,95.872 h1.52
  text "20-30 um" at 555.927,95.872 h1.52
  text "BOARD FINISH:" at 521.848,92.123 h1.52
  text "SILKSCREEN:" at 525.791,89.325 h1.52
  text "X" at 550.118,89.325 h1.52
  text "TOP" at 553.09,89.325 h1.52
  text "X" at 563.072,89.325 h1.52
  text "BOTTOM" at 566.069,89.325 h1.52
  text "SILKSCREEN COLOR:" at 525.791,85.384 h1.52
  text "X" at 550.093,85.384 h1.52
  text "WHITE" at 553.09,85.384 h1.52
  text "OTHER" at 566.069,85.384 h1.52
  text "X" at 553.42,81.74 h1.52
  text "GREEN" at 556.417,81.74 h1.52
  text "OTHER" at 572.115,81.74 h1.52
  text "SOLDER RESIST COLOR:" at 525.791,81.566 h1.52
  text "MATTE" at 556.417,77.822 h1.52
  text "SEMI-GLOSS" at 572.103,77.806 h1.52
  text "IMMERSION GOLD (ENIG)" at 548.797,73.434 h1.52
  text "ENEPIG" at 582.771,73.25 h1.52
  text "SURFACE FINISH:" at 521.848,73.225 h1.52
  text "X" at 544.276,73.225 h1.52
  text "IMM. TIN/SILVER OR EQUIV" at 530.218,69.737 h1.52
  text "OTHER" at 566.577,69.637 h1.52
  text "ARRAY/PANEL:" at 521.848,65.69 h1.52
  text "CUT AND TRIM PER M1 BOARD OUTLINE" at 548.797,65.482 h1.52
  text "N.C. ROUTE" at 548.797,62.028 h1.52
  text "X" at 566.273,62.028 h1.52
  text "V. SCORE" at 570.794,62.028 h1.52
  text "CERTIFICATION:" at 521.848,58.748 h1.52
  text "MATERIALS AND WORKMANSHIP FOR ALL PCBS" at 540.263,58.748 h1.52
  text "TO MEET OR EXCEED THE REQUIREMENTS OF:" at 540.263,56.359 h1.52
  text "X" at 531.056,53.092 h1.52
  text "ANSI IPC-A-600F CLASS ->" at 534.307,53.092 h1.52
  text "X" at 576.166,53.092 h1.52
  text "2" at 578.96,53.092 h1.52
  text "1" at 570.959,53.054 h1.52
  text "3" at 587.952,53.054 h1.52
  text "X" at 551.681,49.341 h1.52
  text "RoHS" at 554.932,49.341 h1.52
  text "OTHER" at 571.299,49.341 h1.52
  text "PER ORDER" at 581.385,49.341 h1.52
  text "ALL BOARDS MUST MEET OR EXCEED UL94-V0 REQUIREMENTS." at 522.548,45.433 h1.52
  text "PCB MUST BEAR THE UL94V-0 UL REGISTERED MATERIAL ID NUMBER" at 522.548,42.485 h1.52
  text "ADDITIONAL REQUIREMENTS:" at 521.848,38.182 h1.52
  text "MICROSECTION:" at 523.747,35.461 h1.52
  text "YES" at 546.753,35.461 h1.52
  text "REQUIRED" at 568.635,31.795 h1.52
  text "BARE BOARD ELEC. TEST:" at 523.747,31.722 h1.52
  text "NONE" at 556.913,31.722 h1.52
  text "X" at 565.638,31.722 h1.52
  text "PER ORDER" at 583.672,31.722 h1.52
  text "XX MIL VIAS REQUIRE NON-CONDUCTIVE FILL AND PLANARIZE" at 528.018,26.517 h1.5
  text "XX MIL VIAS REQUIRE CONDUCTIVE FILL AND PLANARIZE" at 528.221,23.876 h1.52
  text "OUTER XX MIL TRACES REQUIRE 50 OHM SINGLE-ENDED IMPEDANCE" at 528.196,19.726 h1.47
  text "LAYER 2 & 3 (INNER LAYERS) XX MIL WIDE, XX MIL SPACE / TRACES REQUIRE 100 OHM DIFFERENTIAL IMPEDANCE" at 527.993,13.739 h1.52
M11 Gerber Information:
  lines w0.254: -32.163,-32.538 135.477,-32.538 ; -32.163,-27.373 135.528,-27.373 ; -32.163,-22.209 -32.163,-37.703 69.564,-37.703 135.528,-37.703 135.528,-22.209 -32.15,-22.209 -32.15,-37.703 7.867,-37.703 ; 30.448,-37.703 30.448,-22.209 ; 62.63,-27.373 62.63,-22.209 ; 83.966,-27.373 83.966,-22.209 ; 99.765,-37.868 99.765,-32.716
  text "ALL ARTWORK VIEWED FROM TOP SIDE" at -30.55,-25.566 h1.52
  text "BOARD #:" at 32.353,-25.566 h1.52
  text ".PRJ_Number" at 43.713,-25.574 h0.76
  text "REV:" at 67.659,-25.566 h1.52
  text ".PCB_Rev" at 75.063,-25.566 h1.52
  text "SVN REV:" at 88.944,-25.566 h1.52
  text ".VersionControl_RevNumber" at 101.797,-25.566 h1.52
  text ".TID" at 41.859,-30.683 h1.52
  text "LAYER NAME =" at -30.55,-30.717 h1.52
  text "TID #:" at 32.353,-30.73 h1.52
  text ".plot_File_Name" at -13.291,-35.489 h1.02
  text "PLOT NAME =" at -30.55,-35.946 h1.52
  text "GENERATED    :" at 32.404,-35.946 h1.52
  text ".Print_Date" at 54.489,-35.946 h1.52
  text ".Print_Time" at 73.006,-35.946 h1.52
  text "TEXAS INSTRUMENTS" at 105.124,-35.946 h1.52
M12 Stackup:
  drawing of 399 lines, arcs and shapes, not listed
  text "Layer" at 390.919,162.7 h1.52
  text "Name" at 401.33,162.7 h1.52
  text "Material" at 425.2,162.7 h1.52
  text "Thickness" at 447.038,162.7 h1.52
  text "Constant" at 463.544,162.7 h1.52
  text "Board Layer Stack" at 478.018,162.7 h1.52
  text "Top Overlay" at 401.33,159.652 h1.52
  text "Top Solder" at 401.33,156.604 h1.52
  text "Solder Resist" at 425.2,156.604 h1.52
  text "0.40mil" at 447.038,156.604 h1.52
  text "3.5" at 463.544,156.604 h1.52
  text "1" at 390.919,153.556 h1.52
  text "Top Layer" at 401.33,153.556 h1.52
  text "2.80mil" at 447.038,153.556 h1.52
  text "Dielectric 1" at 401.33,150.508 h1.52
  text "FR-4 High Tg" at 425.2,150.508 h1.52
  text "8.00mil" at 447.038,150.508 h1.52
  text "4.2" at 463.544,150.508 h1.52
  text "2" at 390.919,147.46 h1.52
  text "GND Layer" at 401.33,147.46 h1.52
  text "2.80mil" at 447.038,147.46 h1.52
  text "Dielectric2" at 401.33,144.412 h1.52
  text "FR-4 High Tg" at 425.2,144.412 h1.52
  text "8.00mil" at 447.038,144.412 h1.52
  text "4.8" at 463.544,144.412 h1.52
  text "3" at 390.919,141.364 h1.52
  text "Signal Layer 1" at 401.33,141.364 h1.52
  text "1.40mil" at 447.038,141.364 h1.52
  text "Dielectric 3" at 401.33,138.316 h1.52
  text "FR-4 High Tg" at 425.2,138.316 h1.52
  text "16.00mil" at 447.038,138.316 h1.52
  text "4.2" at 463.544,138.316 h1.52
  text "4" at 390.919,135.268 h1.52
  text "Signal Layer 2" at 401.33,135.268 h1.52
  text "1.40mil" at 447.038,135.268 h1.52
  text "Dielectric 4" at 401.33,132.22 h1.52
  text "FR-4 High Tg" at 425.2,132.22 h1.52
  text "8.00mil" at 447.038,132.22 h1.52
  text "4.2" at 463.544,132.22 h1.52
  text "5" at 390.919,129.172 h1.52
  text "Power Layer" at 401.33,129.172 h1.52
  text "2.80mil" at 447.038,129.172 h1.52
  text "Dielectric 5" at 401.33,126.124 h1.52
  text "FR-4 High Tg" at 425.2,126.124 h1.52
  text "8.00mil" at 447.038,126.124 h1.52
  text "4.2" at 463.544,126.124 h1.52
  text "6" at 390.919,123.076 h1.52
  text "Bottom Layer" at 401.33,123.076 h1.52
  text "2.80mil" at 447.038,123.076 h1.52
  text "Bottom Solder" at 401.33,120.028 h1.52
  text "Solder Resist" at 425.2,120.028 h1.52
  text "0.40mil" at 447.038,120.028 h1.52
  text "3.5" at 463.544,120.028 h1.52
  text "Bottom Overlay" at 401.33,116.98 h1.52
M13 Component Bodies Top:
  text ".Layer_Name" at -10.09,-30.717 h1.52
M14 Component Bodies Bottom:
  text ".Layer_Name" at -10.09,-30.717 h1.52
M15 Courtyards Top:
  text ".Layer_Name" at -10.09,-30.717 h1.52
M16 Courtyards Bottom:
  text ".Layer_Name" at -10.09,-30.717 h1.52
Drill Drawing:
  drawing of 184 lines, arcs and shapes, not listed
  text "Symbol" at 393.969,249.885 h1.83
  text "Quantity" at 401.602,249.885 h1.83
  text "Finished Hole Size" at 410.038,249.885 h1.83
  text "Plated" at 426.209,249.885 h1.83
  text "Hole Type" at 432.791,249.885 h1.83
  text "Drill Layer Pair" at 442.322,249.885 h1.83
  text "Hole Tolerance" at 460.724,249.885 h1.83
  text "76" at 401.602,246.727 h1.52
  text "0.200mm (7.87mil)" at 410.038,246.727 h1.52
  text "PTH" at 426.209,246.727 h1.52
  text "Round" at 432.791,246.727 h1.52
  text "Top Layer - Bottom Layer" at 442.322,246.727 h1.52
  text "1254" at 401.602,243.57 h1.52
  text "0.300mm (11.81mil)" at 410.038,243.57 h1.52
  text "PTH" at 426.209,243.57 h1.52
  text "Round" at 432.791,243.57 h1.52
  text "Top Layer - Bottom Layer" at 442.322,243.57 h1.52
  text "4741" at 401.602,240.412 h1.52
  text "0.400mm (15.75mil)" at 410.038,240.412 h1.52
  text "PTH" at 426.209,240.412 h1.52
  text "Round" at 432.791,240.412 h1.52
  text "Top Layer - Bottom Layer" at 442.322,240.412 h1.52
  text "728" at 401.602,237.255 h1.52
  text "0.406mm (16.00mil)" at 410.038,237.255 h1.52
  text "PTH" at 426.209,237.255 h1.52
  text "Round" at 432.791,237.255 h1.52
  text "Top Layer - Bottom Layer" at 442.322,237.255 h1.52
  text "C" at 393.327,237.001 h1.4
  text "2" at 401.602,234.097 h1.52
  text "0.810mm (31.89mil)" at 410.038,234.097 h1.52
  text "PTH" at 426.209,234.097 h1.52
  text "Round" at 432.791,234.097 h1.52
  text "Top Layer - Bottom Layer" at 442.322,234.097 h1.52
  text "67" at 401.602,230.939 h1.52
  text "0.900mm (35.43mil)" at 410.038,230.939 h1.52
  text "PTH" at 426.209,230.939 h1.52
  text "Round" at 432.791,230.939 h1.52
  text "Top Layer - Bottom Layer" at 442.322,230.939 h1.52
  text "6" at 401.602,227.782 h1.52
  text "1.000mm (39.37mil)" at 410.038,227.782 h1.52
  text "PTH" at 426.209,227.782 h1.52
  text "Round" at 432.791,227.782 h1.52
  text "Top Layer - Bottom Layer" at 442.322,227.782 h1.52
  text "136" at 401.602,224.624 h1.52
  text "1.016mm (40.00mil)" at 410.038,224.624 h1.52
  text "PTH" at 426.209,224.624 h1.52
  text "Round" at 432.791,224.624 h1.52
  text "Top Layer - Bottom Layer" at 442.322,224.624 h1.52
  text "B" at 393.327,224.371 h1.4
  text "3" at 401.602,221.467 h1.52
  text "1.020mm (40.16mil)" at 410.038,221.467 h1.52
  text "PTH" at 426.209,221.467 h1.52
  text "Round" at 432.791,221.467 h1.52
  text "Top Layer - Bottom Layer" at 442.322,221.467 h1.52
  text "A" at 393.327,221.213 h1.4
  text "36" at 401.602,218.309 h1.52
  text "1.100mm (43.31mil)" at 410.038,218.309 h1.52
  text "PTH" at 426.209,218.309 h1.52
  text "Round" at 432.791,218.309 h1.52
  text "Top Layer - Bottom Layer" at 442.322,218.309 h1.52
  text "12" at 401.602,215.152 h1.52
  text "1.270mm (50.00mil)" at 410.038,215.152 h1.52
  text "PTH" at 426.209,215.152 h1.52
  text "Round" at 432.791,215.152 h1.52
  text "Top Layer - Bottom Layer" at 442.322,215.152 h1.52
  text "2" at 401.602,211.994 h1.52
  text "1.400mm (55.12mil)" at 410.038,211.994 h1.52
  text "NPTH" at 426.209,211.994 h1.52
  text "Round" at 432.791,211.994 h1.52
  text "Top Layer - Bottom Layer" at 442.322,211.994 h1.52
  text "3" at 401.602,208.837 h1.52
  text "1.650mm (64.96mil)" at 410.038,208.837 h1.52
  text "PTH" at 426.209,208.837 h1.52
  text "Round" at 432.791,208.837 h1.52
  text "Top Layer - Bottom Layer" at 442.322,208.837 h1.52
  text "8" at 401.602,205.679 h1.52
  text "2.375mm (93.50mil)" at 410.038,205.679 h1.52
  text "PTH" at 426.209,205.679 h1.52
  text "Round" at 432.791,205.679 h1.52
  text "Top Layer - Bottom Layer" at 442.322,205.679 h1.52
  text "10" at 401.602,202.522 h1.52
  text "3.200mm (125.98mil)" at 410.038,202.522 h1.52
  text "NPTH" at 426.209,202.522 h1.52
  text "Round" at 432.791,202.522 h1.52
  text "Top Layer - Bottom Layer" at 442.322,202.522 h1.52
  text "12" at 401.602,199.364 h1.52
  text "3.200mm (125.98mil)" at 410.038,199.364 h1.52
  text "PTH" at 426.209,199.364 h1.52
  text "Round" at 432.791,199.364 h1.52
  text "Top Layer - Bottom Layer" at 442.322,199.364 h1.52
  text "16" at 401.602,196.207 h1.52
  text "3.556mm (140.00mil)" at 410.038,196.207 h1.52
  text "PTH" at 426.209,196.207 h1.52
  text "Round" at 432.791,196.207 h1.52
  text "Top Layer - Bottom Layer" at 442.322,196.207 h1.52
  text "2" at 401.602,193.049 h1.52
  text "4.775mm (188.00mil)" at 410.038,193.049 h1.52
  text "PTH" at 426.209,193.049 h1.52
  text "Round" at 432.791,193.049 h1.52
  text "Top Layer - Bottom Layer" at 442.322,193.049 h1.52
  text "7114 Total" at 401.602,189.891 h1.52
  text "FOR 7.87MIL DRILL +0/-7.87MIL" at 392.916,189.81 h1.52
  text "FOR 12MIL DRILL +0/-12MIL" at 392.921,187.272 h1.52
  text "FOR 16MIL DRILL +0/-16MIL" at 392.921,184.626 h1.52
  text "FOR PTH DRILL +/-3MIL" at 392.921,181.979 h1.52
  text "FOR NPTH DRILL +/-2MIL" at 392.921,179.333 h1.52
  text ".Layer_Name" at -10.09,-30.717 h1.52
M17 Embedded Cavity:
  text ".Layer_Name" at -10.09,-30.717 h1.52
M18 Embedded Assembly:
  text ".Layer_Name" at -10.09,-30.717 h1.52
M19 Embedded Keepout:
  text ".Layer_Name" at -10.09,-30.717 h1.52

## Dimensions
0,210 to 375,210 on M2 Board Dimensions
0,0 to 0,210 on M2 Board Dimensions
0,0 to 375,0 on M2 Board Dimensions
-24.746,-19.072 to 0.654,-19.072 on M2 Board Dimensions

## Text inside footprints (layer, text, board x,y; h text height)
C3_Ch1: M5 Assembly Top "+" at 56.472,99.836 h0.46
C3_Ch2: M5 Assembly Top "+" at 95.537,99.834 h0.46
C3_Ch3: M5 Assembly Top "+" at 135.212,99.832 h0.46
C3_Ch4: M5 Assembly Top "+" at 174.887,99.83 h0.46
C3_Ch5: M5 Assembly Top "+" at 224.561,99.828 h0.46
C3_Ch6: M5 Assembly Top "+" at 264.236,99.826 h0.46
C3_Ch7: M5 Assembly Top "+" at 303.911,99.824 h0.46
C3_Ch8: M5 Assembly Top "+" at 343.586,99.822 h0.46
J5: Bottom Overlay "2" at 197.555,197.033 h1.27; Bottom Overlay "1" at 197.301,194.366 h1.27
Logo3: Top Overlay "For evaluation only; not FCC approved for resale." at 323.397,177.327 h1.52
Logo6: Top Overlay "Pb" at 367.65,116.233 h1.52
S4: M13 Component Bodies Top "1" at 216.036,167.691 h0.46
S5: M13 Component Bodies Top "1" at 216.036,183.048 h0.46
U3_Ch1: Top Overlay "*" at 42.022,133.439 h1.27 r90
U3_Ch2: Top Overlay "*" at 81.087,133.437 h1.27 r90
U3_Ch3: Top Overlay "*" at 120.762,133.435 h1.27 r90
U3_Ch4: Top Overlay "*" at 160.437,133.433 h1.27 r90
U3_Ch5: Top Overlay "*" at 210.111,133.431 h1.27 r90
U3_Ch6: Top Overlay "*" at 249.786,133.429 h1.27 r90
U3_Ch7: Top Overlay "*" at 289.461,133.427 h1.27 r90
U3_Ch8: Top Overlay "*" at 329.136,133.425 h1.27 r90
U36_Ch1: Top Overlay "*" at 70.313,134.188 h1.27 r90
U36_Ch2: Top Overlay "*" at 109.378,134.186 h1.27 r90
U36_Ch3: Top Overlay "*" at 149.053,134.184 h1.27 r90
U36_Ch4: Top Overlay "*" at 188.728,134.182 h1.27 r90
U36_Ch5: Top Overlay "*" at 238.403,134.18 h1.27 r90
U36_Ch6: Top Overlay "*" at 278.077,134.178 h1.27 r90
U36_Ch7: Top Overlay "*" at 317.752,134.176 h1.27 r90
U36_Ch8: Top Overlay "*" at 357.427,134.174 h1.27 r90
U39: Top Overlay "WiFi Antenna Above" at 339.418,206.996 h1
ZZ1: M5 Assembly Top "Install label in silkscreened box after final wash.  Text shall be 8 pt font.  Text shall be per the Label Table in the PDF schematic." at 13.005,232.156 h0.46